# Altium PCB SP7.PcbDoc (part 1 of 4) (continued)
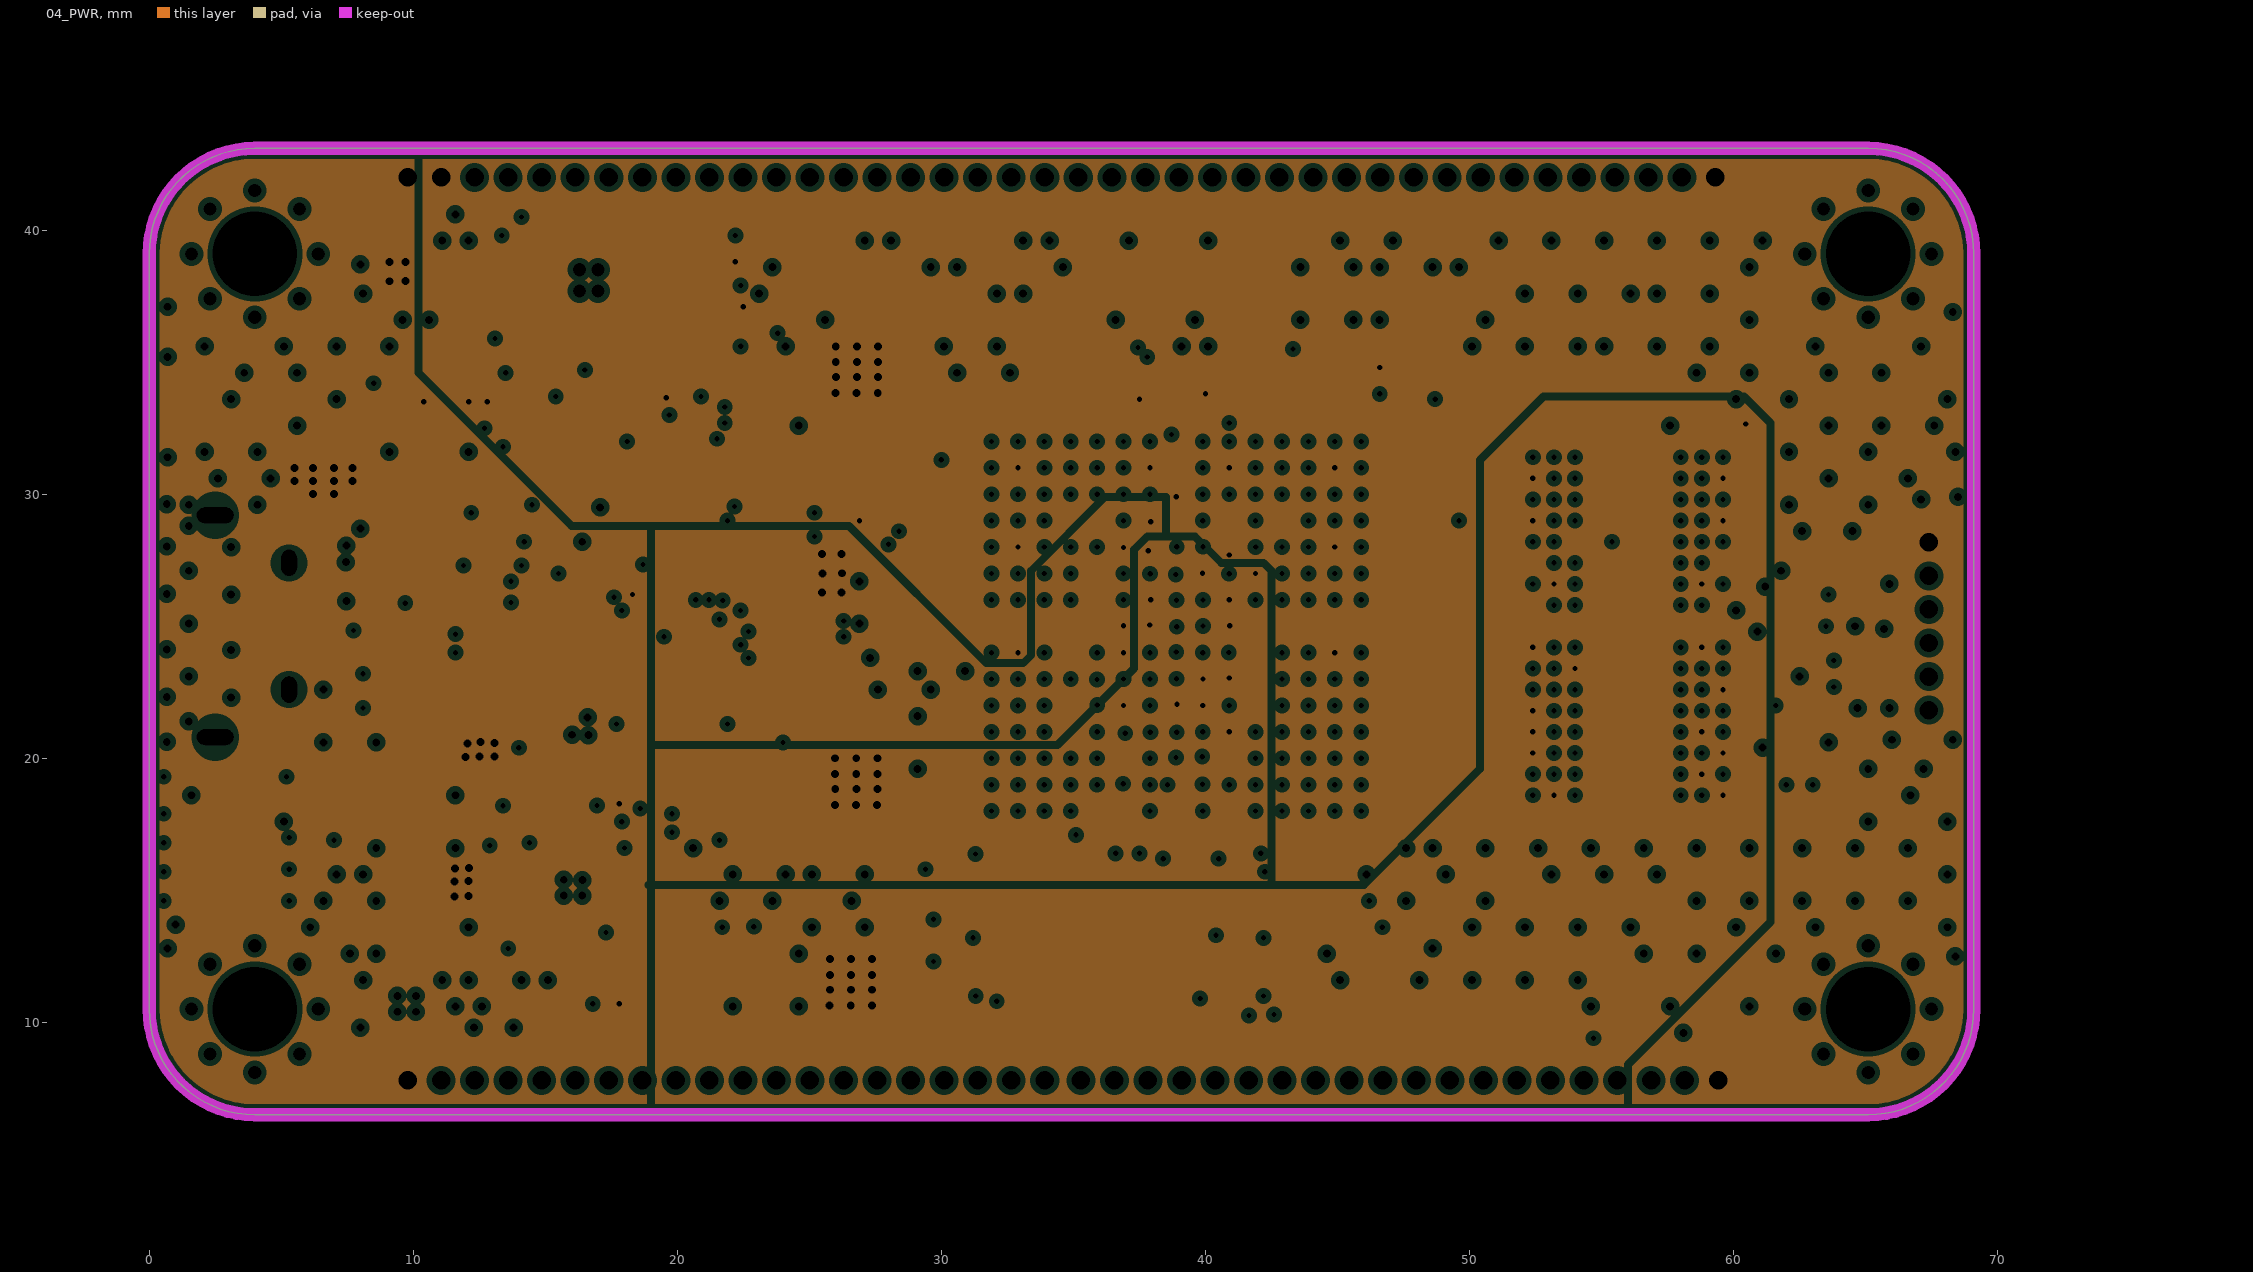
[diagram p4: 04_PWR, clearances drawn from the general rule]
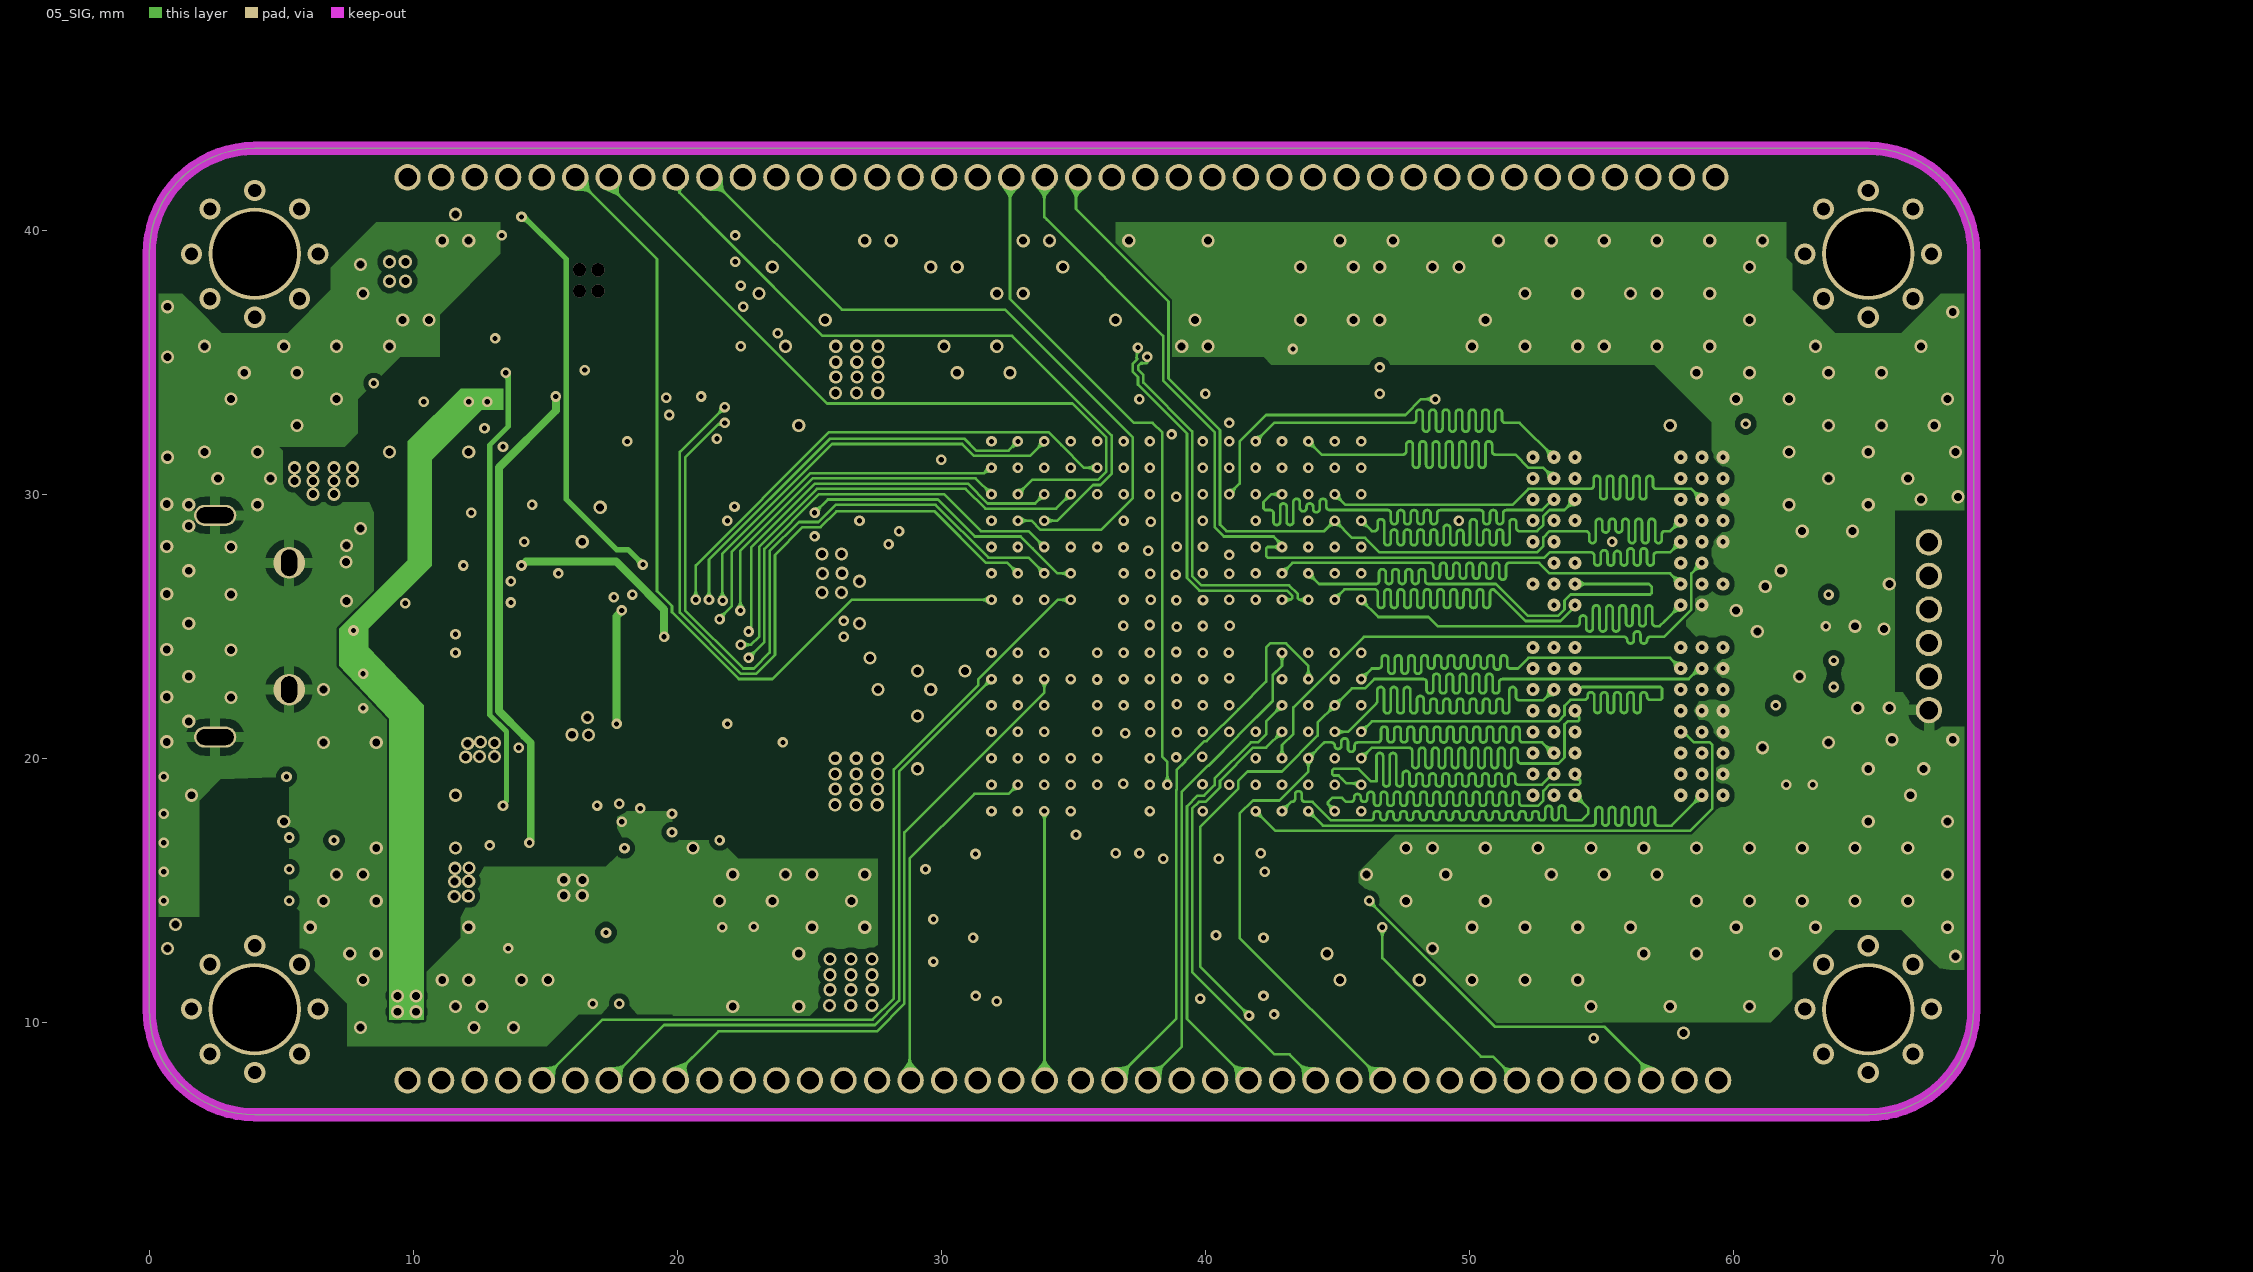
[diagram p5: 05_SIG]

## Layer stack, top to bottom
Top Solder: solder mask 0.025, Dielectric, Dk 3.5
Top: signal copper 0.0356
Dielectric1: prepreg 0.1, Dielectric, Dk 4.2
02_GND: plane copper 0.018, net GND
Dielectric2: core 0.5, Dielectric, Dk 4.2
03_SIG: signal copper 0.018
Dielectric3: prepreg 0.1, Dielectric, Dk 4.2
04_PWR: plane copper 0.018, net (Multiple Nets)
Dielectric4: core 0.5, Dielectric, Dk 4.2
05_SIG: signal copper 0.018
Dielectric5: prepreg 0.1, Dielectric, Dk 4.2
Bottom: signal copper 0.0356
Bottom Solder: solder mask 0.025, Dielectric, Dk 3.5

## Board outline
0,10.5 0,39.1 cw(c4,39.1) 4,43.1 65.1,43.1 cw(c65.1,39.1) 69.1,39.1 69.1,39 69.1,10.5 cw(c65.1,10.5) 65.1,6.5 4,6.5 cw(c4,10.5)

## Design rules (kind name [scope] priority, off if disabled: settings)
Clearance [All] p1: gap=0.1 ignorepadtopadclearanceinfootprint=FALSE except(0.2: Via-Poly; 0.5: THPad-Poly)
DiffPairsRouting [All] p1: maxlimit=0.254 minlimit=0.1 mostfreqgap=0.1 toplayer_minwidth=0.1 toplayer_maxwidth=0.2 toplayer_prefwidth=0.1 midlayer1_minwidth=0.1 midlayer1_maxwidth=0.2 midlayer1_prefwidth=0.1 midlayer2_minwidth=0.1 midlayer2_maxwidth=0.2 midlayer2_prefwidth=0.1 bottomlayer_minwidth=0.1 bottomlayer_maxwidth=0.2 bottomlayer_prefwidth=0.1 maxuncoupledlength=12.7
HoleSize [All] p1: absolutevalues=TRUE maxlimit=10 minlimit=0.5 maxpercent=80.000 minpercent=20.000
HoleToHoleClearance [All] p1: gap=0.3 allowstackedmicrovias=TRUE
MatchedLengths DDR3_D [All] p1: tolerance=0.5 checknetsindiffpair=FALSE checkdiffpairvsdiffpair=TRUE checkxsignals=TRUE checkothers=TRUE
MatchedLengths DDR3_A&C [All] p2: tolerance=0.5 checknetsindiffpair=FALSE checkdiffpairvsdiffpair=TRUE checkxsignals=TRUE checkothers=TRUE
PlaneClearance [All] p1: clearance=0.2
PlaneConnect [All] p1: pad.planeconnectstyle=Relief pad.reliefexpansion=0.15 pad.reliefentries=4 pad.reliefconductorwidth=0.4 pad.reliefairgap=0.3 via.planeconnectstyle=Direct via.reliefexpansion=0.508 via.reliefentries=4 via.reliefconductorwidth=0.254 via.reliefairgap=0.254
PolygonConnect PolygonConnect_Via [All vs IsVia] p1: connectstyle=Direct reliefconductorwidth=0.254 reliefentries=4 polygonreliefangle="90 Angle" airgapwidth=0.254
PolygonConnect PolygonConnect_Pad [All] p2: connectstyle=Relief reliefconductorwidth=0.4 reliefentries=4 polygonreliefangle="90 Angle" airgapwidth=0.3
RoomDefinition USB [InComponentClass('USB')] p1: confinementstyle=ConfineIn formatcopy=TRUE lockcomponents=FALSE outline 153.5,64.6 304.099,64.6 304.099,81.1 153.5,81.1
RoomDefinition POWER [InComponentClass('POWER')] p2: confinementstyle=ConfineIn formatcopy=TRUE lockcomponents=FALSE outline 153.5,51.6 338.199,51.6 338.199,62.3 153.5,62.3
RoomDefinition FPGA [InComponentClass('FPGA')] p3: confinementstyle=ConfineIn formatcopy=TRUE lockcomponents=FALSE outline 153.5,29.8 370.899,29.8 370.899,46.3 153.5,46.3
RoomDefinition External [InComponentClass('External')] p4: confinementstyle=ConfineIn formatcopy=TRUE lockcomponents=FALSE outline 153.6,12.6 170,12.6 170,28.6 153.6,28.6
RoomDefinition DDR3_RAM [InComponentClass('DDR3_RAM')] p5: confinementstyle=ConfineIn formatcopy=TRUE lockcomponents=FALSE outline 153.5,-0.1 230.499,-0.1 230.499,11.3 153.5,11.3
RoutingVias [All] p1: holewidth=0.2 width=0.4 viastyle="Through Hole" minholewidth=0.2 minwidth=0.4 maxholewidth=0.2 maxwidth=0.4
SolderMaskExpansion [All] p1: expansion=0.102 istentingtop=FALSE
Width [All] p1: maxlimit=10 minlimit=0.1 preferedwidth=0.1
25 further rules are at their usual default settings.

## Classes and differential pairs
net class EXT[0..70]: DDR3_A0 DDR3_A1 DDR3_A2 DDR3_A3 DDR3_A4 DDR3_A5 DDR3_A6 DDR3_A7 DDR3_A8 DDR3_A9 DDR3_A10 DDR3_A11 DDR3_A12 DDR3_A13 DDR3_A14 DDR3_BA0 DDR3_BA1 DDR3_BA2 DDR3_DM0 DDR3_DM1 DDR3_DQ0 DDR3_DQ1 DDR3_DQ2 DDR3_DQ3 DDR3_DQ4 DDR3_DQ5 DDR3_DQ6 DDR3_DQ7 DDR3_DQ8 DDR3_DQ9 DDR3_DQ10 DDR3_DQ11 DDR3_DQ12 DDR3_DQ13 DDR3_DQ14 DDR3_DQ15 EXT0 EXT1 EXT2 EXT3 EXT4 EXT5 EXT6 EXT7 EXT8 EXT9 EXT10 EXT11 EXT12 EXT13 EXT14 EXT15 EXT16 EXT17 EXT18 EXT19 EXT20 EXT21 EXT22 EXT23 EXT24 EXT25 EXT26 EXT27 EXT28 EXT29 EXT30 EXT31 EXT32 EXT57
net class DDR_D: DDR3_DM0 DDR3_DM1 DDR3_DM2 DDR3_DM3 DDR3_DQ0 DDR3_DQ1 DDR3_DQ2 DDR3_DQ3 DDR3_DQ4 DDR3_DQ5 DDR3_DQ6 DDR3_DQ7 DDR3_DQ8 DDR3_DQ9 DDR3_DQ10 DDR3_DQ11 DDR3_DQ12 DDR3_DQ13 DDR3_DQ14 DDR3_DQ15 DDR3_DQS0_N DDR3_DQS0_P DDR3_DQS1_N DDR3_DQS1_P
net class DDR_A&C: DDR3_A0 DDR3_A1 DDR3_A2 DDR3_A3 DDR3_A4 DDR3_A5 DDR3_A6 DDR3_A7 DDR3_A8 DDR3_A9 DDR3_A10 DDR3_A11 DDR3_A12 DDR3_A13 DDR3_A14 DDR3_BA0 DDR3_BA1 DDR3_BA2 DDR3_CAS_N DDR3_CK_N DDR3_CK_P DDR3_CS_N DDR3_ODT DDR3_RAS_N DDR3_WE_N EXT57
net class DDR3_DQ[0..15]: DDR3_DQ0 DDR3_DQ1 DDR3_DQ2 DDR3_DQ3 DDR3_DQ4 DDR3_DQ5 DDR3_DQ6 DDR3_DQ7 DDR3_DQ8 DDR3_DQ9 DDR3_DQ10 DDR3_DQ11 DDR3_DQ12 DDR3_DQ13 DDR3_DQ14 DDR3_DQ15
net class DDR3_DM[0..3]: DDR3_DM0 DDR3_DM1 DDR3_DM2 DDR3_DM3
net class DDR3_BA[0..2]: DDR3_BA0 DDR3_BA1 DDR3_BA2
net class DDR3_A[0..14]: DDR3_A0 DDR3_A1 DDR3_A2 DDR3_A3 DDR3_A4 DDR3_A5 DDR3_A6 DDR3_A7 DDR3_A8 DDR3_A9 DDR3_A10 DDR3_A11 DDR3_A12 DDR3_A13 DDR3_A14
net class BANK34: DDR3_A0 DDR3_A1 DDR3_A2 DDR3_A3 DDR3_A4 DDR3_A5 DDR3_A6 DDR3_A7 DDR3_A8 DDR3_A9 DDR3_A10 DDR3_A11 DDR3_A12 DDR3_A13 DDR3_A14 DDR3_BA0 DDR3_BA1 DDR3_BA2 DDR3_CAS_N DDR3_CK_N DDR3_CK_P DDR3_CS_N DDR3_DM0 DDR3_DM1 DDR3_DQ0 DDR3_DQ1 DDR3_DQ2 DDR3_DQ3 DDR3_DQ4 DDR3_DQ5 DDR3_DQ6 DDR3_DQ7 DDR3_DQ8 DDR3_DQ9 DDR3_DQ10 DDR3_DQ11 DDR3_DQ12 DDR3_DQ13 DDR3_DQ14 DDR3_DQ15 DDR3_DQS0_N DDR3_DQS0_P DDR3_DQS1_N DDR3_DQS1_P DDR3_ODT DDR3_RAS_N DDR3_WE_N EXT57 SYSCLK_N SYSCLK_P
net class BANK15: EXT1 EXT2 EXT3 EXT4 EXT5 EXT6 EXT7 EXT8 EXT9 EXT10 EXT11 EXT12 EXT13 EXT14 EXT15 EXT16 EXT17 EXT18 EXT19 EXT20 EXT21 EXT22 EXT23 EXT24 EXT25 EXT26 EXT27 EXT28 EXT29 EXT30 EXT31 EXT32 FLASH_CS# FLASH_D0 FLASH_D1 FLASH_D2 FLASH_D3 FPGA_EMCCLK FT_RD_N FT_RXF_N FT_STWU FT_TXE_N FT_WR_N LED_1 LED_2 LED_3 LED_4 NetU2_A10 NetU2_E11 XPUDC
component class USB: C52 C53 C54 C55 C56 C57 C58 C59 C60 C61 C62 C63 C64 C65 C66 F1 FB3 FB4 J1 PUSB1 R31 R32 R33 R34 R35 R36 R37 R38 R39 R40 R41 R42 R43 R44 R45 TP1 TP2 U4 U5 U6 X1
component class POWER: C67 C68 C73 C74 C75 C76 C77 C78 C79 C80 C81 C82 C83 C84 C85 C86 C87 C88 C89 C90 JP2 JP4 JP5 JP6 L1 L2 L3 L4 R46 R47 R48 R49 R50 R51 R52 R53 R54 R55 R56 R57 R58 R59 R60 R61 TP3 TP4 TP5 TP6 UP1 UP2 UP3 UP4
component class FPGA: C1 C2 C3 C4 C5 C6 C7 C8 C9 C10 C11 C12 C13 C14 C15 C16 C17 C18 C19 C20 C21 C22 C23 C24 C25 C26 C27 C28 C29 C30 C31 C32 C33 C34 C35 D1 D2 D3 D4 D5 FB1 FB2 M1 M2 M3 M4 R1 R2 R3 R4 R5 R6 R7 R8 R9 R10 R11 R12 R13 R14 R15 R16 R17 R18 R19 R20 R21 R22 R23 R24 SW1 U1 U2 Y1 Y2
component class External: J2 J3 J4 J5 J6 J7 J8 J9
component class DDR3_RAM: C91 C92 C93 C94 C95 C96 C97 C98 C99 C100 C101 C102 C103 C104 C105 C106 R62 R63 R64 R65 R66 R67 U7
differential pair USBD: +USBD_P -USBD_N
differential pair SYSCLK: +SYSCLK_P -SYSCLK_N
differential pair DDR3_DQS1: +DDR3_DQS1_P -DDR3_DQS1_N
differential pair DDR3_DQS0: +DDR3_DQS0_P -DDR3_DQS0_N
differential pair DDR3_CK: +DDR3_CK_P -DDR3_CK_N

## Components (designator, comment, footprint, x,y, rotation, side; value= is the part's Value field where it differs from the comment)
C1 "10uF" C0402 45.9,34.3 r90 top
C2 "100nF" C0402 43.3,34.3 r270 top
C3 "47uF" C0805 30.5,25 r0 bottom
C4 "4.7uF" C0402 39.1,31.1 r270 bottom
C5 "470nF" C0402 37.8,30.6 r0 bottom
C6 "470nF" C0402 41,30.6 r180 bottom
C7 "100nF" C0402 38.5,17.4 r90 bottom
C8 "100nF" C0402 41.4,15.9 r270 top
C9 "10uF" C0402 27.5,29.1 r90 top
C10 "100nF" C0402 29.6,28.2 r0 top
C11 "47uF" C0805 35.2,25 r0 bottom
C12 "4.7uF" C0402 36.5,27.1 r90 bottom
C13 "470nF" C0402 36,23.6 r0 bottom
C14 "470nF" C0402 37,28.6 r0 bottom
C15 "47uF" C0805 31.9,31 r0 bottom
C16 "4.7uF" C0402 32,28.4 r0 bottom
C17 "4.7uF" C0402 32.5,24.9 r270 bottom
C18 "470nF" C0402 33.8,23.6 r180 bottom
C19 "470nF" C0402 32,27.6 r0 bottom
C20 "470nF" C0402 33.8,30.6 r180 bottom
C21 "47uF" C0805 46.3,24.9 r180 bottom
C22 "4.7uF" C0402 44,24.4 r0 bottom
C23 "4.7uF" C0402 45,28.4 r180 bottom
C24 "470nF" C0402 44,23.6 r0 bottom
C25 "470nF" C0402 45,27.6 r180 bottom
C26 "470nF" C0402 44,30.6 r0 bottom
C27 "47uF" C0805 38.8,25.5 r180 bottom
C28 "47uF" C0805 41.9,23 r90 bottom
C29 "47uF" C0805 39.879,20.062 r0 bottom
C30 "4.7uF" C0402 39,26.6 r0 bottom
C31 "4.7uF" C0402 36,21.6 r0 bottom
C32 "4.7uF" C0402 38,21.6 r0 bottom
C33 "470nF" C0402 40.5,22.1 r90 bottom
C34 "470nF" C0402 40.8,24.6 r0 bottom
C35 "470nF" C0402 40.999,26.588 r0 bottom
C52 "100nF" C0402 21.5,39.3 r270 top
C53 "100nF" C0402 21.5,37.1 r270 top
C54 "27uF" C0402 10.3,30.5 r0 top
C55 "27uF" C0402 9.1,26 r180 top
C56 "100nF" C0402 19.2,32.5 r180 top
C57 "100nF" C0402 25.7,25.1 r90 top
C58 "100nF" C0402 21.1,17.6 r0 top
C59 "100nF" C0402 16.7,17.6 r180 top
C60 "100nF" C0402 25.7,22.7 r90 top
C61 "100nF" C0402 13.9,32.5 r0 top
C62 "100nF" C0402 11,22.7 r90 top
C63 "100nF" C0402 11.1,26.8 r90 bottom
C64 "4.7uF" C0402 10.1,26.8 r90 bottom
C65 "100nF" C0402 11.1,24.2 r90 bottom
C66 "4.7uF" C0402 10.1,24.2 r90 bottom
C67 "10uF" C0603 21.9,19.9 r270 bottom
C68 "10uF" C0603 23.1,19.9 r270 bottom
C73 "10uF" C0603 14,21.9 r90 bottom
C74 "0.1uF" C0402 13.1,24.2 r90 bottom
C75 "3300pF" C0402 15.6,20.1 r0 bottom
C76 "10uF" C0603 21.7,12.2 r270 bottom
C77 "10uF" C0603 22.9,12.2 r270 bottom
C78 "10uF" C0603 13.6,14.2 r90 bottom
C79 "0.1uF" C0402 13.7,16.3 r90 bottom
C80 "3300pF" C0402 15.2,12.4 r0 bottom
C81 "10uF" C0603 22.1,27.6 r270 bottom
C82 "10uF" C0603 23.3,27.6 r270 bottom
C83 "10uF" C0603 14.2,29.6 r90 bottom
C84 "0.1uF" C0402 14.2,31.7 r90 bottom
C85 "3300pF" C0402 15.8,27.8 r0 bottom
C86 "10uF" C0603 21.9,35.4 r270 bottom
C87 "10uF" C0603 23.121,35.4 r270 bottom
C88 "10uF" C0603 14.021,37.4 r90 bottom
C89 "0.1uF" C0402 13.971,39.3 r90 bottom
C90 "3300pF" C0402 15.621,35.6 r0 bottom
C91 "47uF" C1206 49.9,29 r0 bottom
C92 "100nF" C0402 51.8,31 r270 bottom
C93 "100nF" C0402 58.8,26.1 r90 bottom
C94 "100nF" C0402 51.8,19.6 r90 bottom
C95 "100nF" C0402 51.8,22.1 r270 bottom
C96 "100nF" C0402 51.8,23.8 r90 bottom
C97 "100nF" C0402 52.7,18 r0 bottom
C98 "100nF" C0402 58.8,21.4 r270 bottom
C99 "100nF" C0402 60.2,20.6 r270 bottom
C100 "100nF" C0402 60.2,18.8 r270 bottom
C101 "100nF" C0402 58.3,19.4 r0 bottom
C102 "100nF" C0402 60.4,31 r270 bottom
C103 "100nF" C0402 60.3,28.6 r90 bottom
C104 "100nF" C0402 54.3,28.2 r180 bottom
C105 "100nF" C0402 60.3,23.8 r90 bottom
C106 "100nF" C0402 62,17.8 r270 bottom
D1 "LED402BLU" LED0402BLU 1.6,17.9 r180 top
D2 "LED402BLU" LED0402BLU 1.6,16.8 r180 top
D3 "LED402BLU" LED0402BLU 1.6,15.7 r180 top
D4 "LED402BLU" LED0402BLU 1.6,14.6 r180 top
D5 "LED402BLU" LED0402BLU 1.6,19.3 r180 top
F1 "FUSE500mA" F0603 6.6,27.3 r90 top
FB1 "FB603" L0603 44.6,34.6 r270 top
FB2 "FB603" L0603 29.3,29.5 r0 top
FB3 "FB603" L0603 9,23.9 r270 bottom
FB4 "FB603" L0603 9,26.5 r270 bottom
J1 "HDRF6" HDRMINI_M_1X6 67.4,25 r270 top
J2 "HDR1X10" HDRMINI_M_1X10 15.5,7.8 r0 top value=HDRMINI_10
J3 "HDR1X10" HDRMINI_M_1X10 15.5,42 r180 top value=HDRMINI_10
J4 "HDR1X10" HDRMINI_M_1X10 28.2,7.8 r180 top value=HDRMINI_10
J5 "HDR1X10" HDRMINI_M_1X10 28.2,42 r180 top value=HDRMINI_10
J6 "HDR1X10" HDRMINI_M_1X10 41,7.8 r0 top value=HDRMINI_10
J7 "HDR1X10" HDRMINI_M_1X10 40.9,42 r180 top value=HDRMINI_10
J8 "HDR1X10" HDRMINI_M_1X10 53.7,7.8 r0 top value=HDRMINI_10
J9 "HDR1X10" HDRMINI_M_1X10 53.6,42 r180 top value=HDRMINI_10
JP2 "R0Ohm" JP_100X60 24.2,19.1 r0 bottom
JP4 "R0Ohm" JP_100X60 24,11.5 r0 bottom
JP5 "R0Ohm" JP_100X60 24.4,26.9 r0 bottom
JP6 "R0Ohm" JP_100X60 24.221,34.7 r0 bottom
L1 "2.2uH" L1210 19.9,21.2 r270 bottom
L2 "2.2uH" L1210 19.7,13.5 r270 bottom
L3 "2.2uH" L1210 20.2,28.9 r270 bottom
L4 "2.2uH" L1210 20.021,36.7 r270 bottom
M1 "DNP/MH" SCMH_M3 4,10.5 r0 top
M2 "DNP/MH" SCMH_M3 4,39.1 r0 top
M3 "DNP/MH" SCMH_M3 65.1,39.1 r0 top
M4 "DNP/MH" SCMH_M3 65.1,10.5 r0 top
PUSB1 "CONN_USB_MICROB" USB_MICRO_B_BM_SHS 5.1,25 r90 top
R1 "360" R0402 3.9,18.2 r0 top
R2 "DNP/1K" R0402 35.7,17.6 r90 bottom
R3 "360" R0402 3.9,17 r0 top
R4 "DNP/1K" R0402 36.6,17.6 r90 bottom
R5 "360" R0402 3.9,15.8 r0 top
R6 "360" R0402 3.9,14.6 r0 top
R7 "100" R0402 43.1,25.5 r0 bottom
R8 "DNP/0" R0402 37.499,19.1 r270 bottom
R9 "274" R0402 3.9,19.3 r0 top
R10 "DNP" R0402 39.5,16.4 r90 bottom
R11 "4.6K" R0402 41.3,28.9 r90 bottom
R12 "4.6K" R0402 40.5,17.4 r90 bottom
R13 "4.6K" R0402 39.6,32.8 r0 bottom
R14 "4.6K" R0402 37.2,32.799 r0 bottom
R15 "4.64K" R0402 30.6,15.8 r270 top
R16 "4.6K" R0402 39.1,28.999 r0 bottom
R17 "0" R0402 40.8,31.401 r180 bottom
R18 "DNP/4.64K" R0402 41.4,11.5 r90 top
R19 "4.64K" R0402 26.3,29.1 r90 top
R20 "DNP/4.64K" R0402 30.6,13.7 r90 top
R21 "1.21K" R0402 40.501,28.9 r90 bottom
R22 "4.64K" R0402 30.6,11.5 r90 top
R23 "4.64K" R0402 41.4,13.7 r90 top
R24 "4.6K" R0402 36.499,30.9 r270 bottom
R31 "220" R0402 11,20.5 r90 top
R32 "220" R0402 26.8,32.5 r180 top
R33 "220" R0402 26.8,31.5 r180 top
R34 "220" R0402 26.8,30.6 r180 top
R35 "2.2K" R0402 12.1,37 r270 top
R36 "10K" R0402 12.1,34.6 r270 top
R37 "220" R0402 64.8,27.2 r180 bottom
R38 "220" R0402 64.8,26.2 r180 bottom
R39 "1K" R0402 10,22.7 r90 top
R40 "220" R0402 64.9,23.7 r180 bottom
R41 "220" R0402 64.9,22.7 r180 bottom
R42 "12K" R0402 9.1,24.9 r180 top
R43 "10K" R0402 13.9,33.5 r180 top
R44 "10K" R0402 16.8,33.5 r0 top
R45 "NC/4.7K" R0402 16.8,32.5 r180 top
R46 "0/DNP" R0402 14.1,24.2 r90 bottom
R47 "100K" R0402 18,19.6 r90 bottom
R48 "2.49K" R0402 16.8,25.25 r180 bottom
R49 "10K" R0402 17,19.6 r270 bottom
R50 "100K" R0402 17.766,11.9 r90 bottom
R51 "8.75K" R0402 16.7,17.5 r180 bottom
R52 "10K" R0402 16.8,11.9 r270 bottom
R53 "0/DNP" R0402 14.8,17.5 r0 bottom
R54 "100K" R0402 18.3,27.3 r90 bottom
R55 "12.5K" R0402 17.3,32.9 r180 bottom
R56 "10K" R0402 17.2,27.3 r270 bottom
R57 "0/DNP" R0402 15.4,32.9 r0 bottom
R58 "100K" R0402 18.121,35.1 r90 bottom
R59 "31.6K" R0402 17.3,40.5 r180 bottom
R60 "10K" R0402 17.121,35.1 r270 bottom
R61 "0/DNP" R0402 15.3,40.5 r0 bottom
R62 "237" R0402 61,17.8 r90 bottom
R63 "237" R0402 63,17.8 r270 bottom
R64 "4.64K" R0402 59.3,32.3 r0 bottom
R65 "4.64K" R0402 52,26 r180 bottom
R66 "100" R0402 54.6,26.1 r270 bottom
R67 "237" R0402 52,27.4 r180 bottom
SW1 "PUSHBUTTON" SWPBS_SPST_6X3X2 5,32.9 r180 top
TP1 "TESTPOINT_SMD" TPSMD_S1 10.5,31.9 r90 top value=VALUE
TP2 "TESTPOINT_SMD" TPSMD_S1 24.7,19.5 r90 top value=VALUE
TP3 "TESTPOINT_M_GRN" TPSMD_S1 23.1,18.1 r90 bottom value=VALUE
TP4 "TESTPOINT_M_GRN" TPSMD_S1 23,10.1 r90 bottom value=VALUE
TP5 "TESTPOINT_M_GRN" TPSMD_S1 23.3,25.6 r90 bottom value=VALUE
TP6 "TESTPOINT_M_GRN" TPSMD_S1 23.121,33.3 r90 bottom value=VALUE
U1 "S25FL256" SON127_8T_6080 36,13.3 r0 top
U2 "XC7S25-FTGB196" BGA100_196_S15 38.9,25 r180 top locked
U4 "FT2232HL" QFG50_64 18.3,25 r0 top
U5 "AT93C46" SO_8 16.8,37.101 r0 top
U6 "TPD4E" SON50_10_2510 62.5,25 r180 bottom
U7 "DDR3_AS4C256M16" BGA80_96_9X16B 56,25 r180 top locked
UP1 "TPS62130" QFN50_16T_3X3 16.6,22.6 r180 bottom
UP2 "TPS62130" QFN50_16T_3X3 16.2,14.9 r180 bottom
UP3 "TPS62130" QFN50_16T_3X3 16.8,30.3 r180 bottom
UP4 "TPS62130" QFN50_16T_3X3 16.621,38.1 r180 bottom
X1 "12MHz" XTL_4_3225 9.6,28.3 r90 top
Y1 "OSC_200MHZ" XTL_6_7050 38.8,36.1 r270 top
Y2 "OSC_100MHz" XTL_4_3225GEN 29.1,25.7 r0 top

## Footprints (in the part's own frame and the unit in brackets; to place one, negate y for a bottom-side part, rotate by r counter-clockwise, add the part's x,y. Pads: shape width x height; smd on the part's side, far side on the other; paste and mask are expansions set on the pad)
BGA80_96_9X16B [mm] "96-Ball FBGA, 0.8mm pitch, 14x10x1.1 mm"
  round 0.4 smd mask+0.075: A1(-3.2,6) A2(-2.4,6) A3(-1.6,6) A7(1.6,6) A8(2.4,6) A9(3.2,6) B1(-3.2,5.2) B2(-2.4,5.2) B3(-1.6,5.2) B7(1.6,5.2) B8(2.4,5.2) B9(3.2,5.2) C1(-3.2,4.4) C2(-2.4,4.4) C3(-1.6,4.4) C7(1.6,4.4) C8(2.4,4.4) C9(3.2,4.4) D1(-3.2,3.6) D2(-2.4,3.6) D3(-1.6,3.6) D7(1.6,3.6) D8(2.4,3.6) D9(3.2,3.6) E1(-3.2,2.8) E2(-2.4,2.8) E3(-1.6,2.8) E7(1.6,2.8) E8(2.4,2.8) E9(3.2,2.8) F1(-3.2,2) F2(-2.4,2) F3(-1.6,2) F7(1.6,2) F8(2.4,2) F9(3.2,2) G1(-3.2,1.2) G2(-2.4,1.2) G3(-1.6,1.2) G7(1.6,1.2) G8(2.4,1.2) G9(3.2,1.2) H1(-3.2,0.4) H2(-2.4,0.4) H3(-1.6,0.4) H7(1.6,0.4) H8(2.4,0.4) H9(3.2,0.4) J1(-3.2,-0.4) J2(-2.4,-0.4) J3(-1.6,-0.4) J7(1.6,-0.4) J8(2.4,-0.4) J9(3.2,-0.4) K1(-3.2,-1.2) K2(-2.4,-1.2) K3(-1.6,-1.2) K7(1.6,-1.2) K8(2.4,-1.2) K9(3.2,-1.2) L1(-3.2,-2) L2(-2.4,-2) L3(-1.6,-2) L7(1.6,-2) L8(2.4,-2) L9(3.2,-2) M1(-3.2,-2.8) M2(-2.4,-2.8) M3(-1.6,-2.8) M7(1.6,-2.8) M8(2.4,-2.8) M9(3.2,-2.8) N1(-3.2,-3.6) N2(-2.4,-3.6) N3(-1.6,-3.6) N7(1.6,-3.6) N8(2.4,-3.6) N9(3.2,-3.6) P1(-3.2,-4.4) P2(-2.4,-4.4) P3(-1.6,-4.4) P7(1.6,-4.4) P8(2.4,-4.4) P9(3.2,-4.4) R1(-3.2,-5.2) R2(-2.4,-5.2) R3(-1.6,-5.2) R7(1.6,-5.2) R8(2.4,-5.2) R9(3.2,-5.2) T1(-3.2,-6) T2(-2.4,-6) T3(-1.6,-6) T7(1.6,-6) T8(2.4,-6) T9(3.2,-6)
  silkscreen extent -5.73,-7.1 5.1,7.1, body extent -4,-7 4,7, height 1.1
BGA100_196_S15 [mm] "BGA, FTGB196, 196-Leads, Body 15.00x15.00mmx1.55mm, Pitch 1.00mm"
  round 0.45 smd: A1(-6.5,6.5) A2(-5.5,6.5) A3(-4.5,6.5) A4(-3.5,6.5) A5(-2.5,6.5) A6(-1.5,6.5) A7(-0.5,6.5) A8(0.5,6.5) A9(1.5,6.5) A10(2.5,6.5) A11(3.5,6.5) A12(4.5,6.5) A13(5.5,6.5) A14(6.5,6.5) B1(-6.5,5.5) B2(-5.5,5.5) B3(-4.5,5.5) B4(-3.5,5.5) B5(-2.5,5.5) B6(-1.5,5.5) B7(-0.5,5.5) B8(0.5,5.5) B9(1.5,5.5) B10(2.5,5.5) B11(3.5,5.5) B12(4.5,5.5) B13(5.5,5.5) B14(6.5,5.5) C1(-6.5,4.5) C2(-5.5,4.5) C3(-4.5,4.5) C4(-3.5,4.5) C5(-2.5,4.5) C6(-1.5,4.5) C7(-0.5,4.5) C8(0.5,4.5) C9(1.5,4.5) C10(2.5,4.5) C11(3.5,4.5) C12(4.5,4.5) C13(5.5,4.5) C14(6.5,4.5) D1(-6.5,3.5) D2(-5.5,3.5) D3(-4.5,3.5) D4(-3.5,3.5) D5(-2.5,3.5) D6(-1.5,3.5) D7(-0.5,3.5) D8(0.5,3.5) D9(1.5,3.5) D10(2.5,3.5) D11(3.5,3.5) D12(4.5,3.5) D13(5.5,3.5) D14(6.5,3.5) E1(-6.5,2.5) E2(-5.5,2.5) E3(-4.5,2.5) E4(-3.5,2.5) E5(-2.5,2.5) E6(-1.5,2.5) E7(-0.5,2.5) E8(0.5,2.5) E9(1.5,2.5) E10(2.5,2.5) E11(3.5,2.5) E12(4.5,2.5) E13(5.5,2.5) E14(6.5,2.5) F1(-6.5,1.5) F2(-5.5,1.5) F3(-4.5,1.5) F4(-3.5,1.5) F5(-2.5,1.5) F6(-1.5,1.5) F7(-0.5,1.5) F8(0.5,1.5) F9(1.5,1.5) F10(2.5,1.5) F11(3.5,1.5) F12(4.5,1.5) F13(5.5,1.5) F14(6.5,1.5) G1(-6.5,0.5) G2(-5.5,0.5) G3(-4.5,0.5) G4(-3.5,0.5) G5(-2.5,0.5) G6(-1.5,0.5) G7(-0.5,0.5) G8(0.5,0.5) G9(1.5,0.5) G10(2.5,0.5) G11(3.5,0.5) G12(4.5,0.5) G13(5.5,0.5) G14(6.5,0.5) H1(-6.5,-0.5) H2(-5.5,-0.5) H3(-4.5,-0.5) H4(-3.5,-0.5) H5(-2.5,-0.5) H6(-1.5,-0.5) H7(-0.5,-0.5) H8(0.5,-0.5) H9(1.5,-0.5) H10(2.5,-0.5) H11(3.5,-0.5) H12(4.5,-0.5) H13(5.5,-0.5) H14(6.5,-0.5) J1(-6.5,-1.5) J2(-5.5,-1.5) J3(-4.5,-1.5) J4(-3.5,-1.5) J5(-2.5,-1.5) J6(-1.5,-1.5) J7(-0.5,-1.5) J8(0.5,-1.5) J9(1.5,-1.5) J10(2.5,-1.5) J11(3.5,-1.5) J12(4.5,-1.5) J13(5.5,-1.5) J14(6.5,-1.5) K1(-6.5,-2.5) K2(-5.5,-2.5) K3(-4.5,-2.5) K4(-3.5,-2.5) K5(-2.5,-2.5) K6(-1.5,-2.5) K7(-0.5,-2.5) K8(0.5,-2.5) K9(1.5,-2.5) K10(2.5,-2.5) K11(3.5,-2.5) K12(4.5,-2.5) K13(5.5,-2.5) K14(6.5,-2.5) L1(-6.5,-3.5) L2(-5.5,-3.5) L3(-4.5,-3.5) L4(-3.5,-3.5) L5(-2.5,-3.5) L6(-1.5,-3.5) L7(-0.5,-3.5) L8(0.5,-3.5) L9(1.5,-3.5) L10(2.5,-3.5) L11(3.5,-3.5) L12(4.5,-3.5) L13(5.5,-3.5) L14(6.5,-3.5) M1(-6.5,-4.5) M2(-5.5,-4.5) M3(-4.5,-4.5) M4(-3.5,-4.5) M5(-2.5,-4.5) M6(-1.5,-4.5) M7(-0.5,-4.5) M8(0.5,-4.5) M9(1.5,-4.5) M10(2.5,-4.5) M11(3.5,-4.5) M12(4.5,-4.5) M13(5.5,-4.5) M14(6.5,-4.5) N1(-6.5,-5.5) N2(-5.5,-5.5) N3(-4.5,-5.5) N4(-3.5,-5.5) N5(-2.5,-5.5) N6(-1.5,-5.5) N7(-0.5,-5.5) N8(0.5,-5.5) N9(1.5,-5.5) N10(2.5,-5.5) N11(3.5,-5.5) N12(4.5,-5.5) N13(5.5,-5.5) N14(6.5,-5.5) P1(-6.5,-6.5) P2(-5.5,-6.5) P3(-4.5,-6.5) P4(-3.5,-6.5) P5(-2.5,-6.5) P6(-1.5,-6.5) P7(-0.5,-6.5) P8(0.5,-6.5) P9(1.5,-6.5) P10(2.5,-6.5) P11(3.5,-6.5) P12(4.5,-6.5) P13(5.5,-6.5) P14(6.5,-6.5)